# KiCad board TRS80_Model_I_Jap20_E1.kicad_pcb (continued)
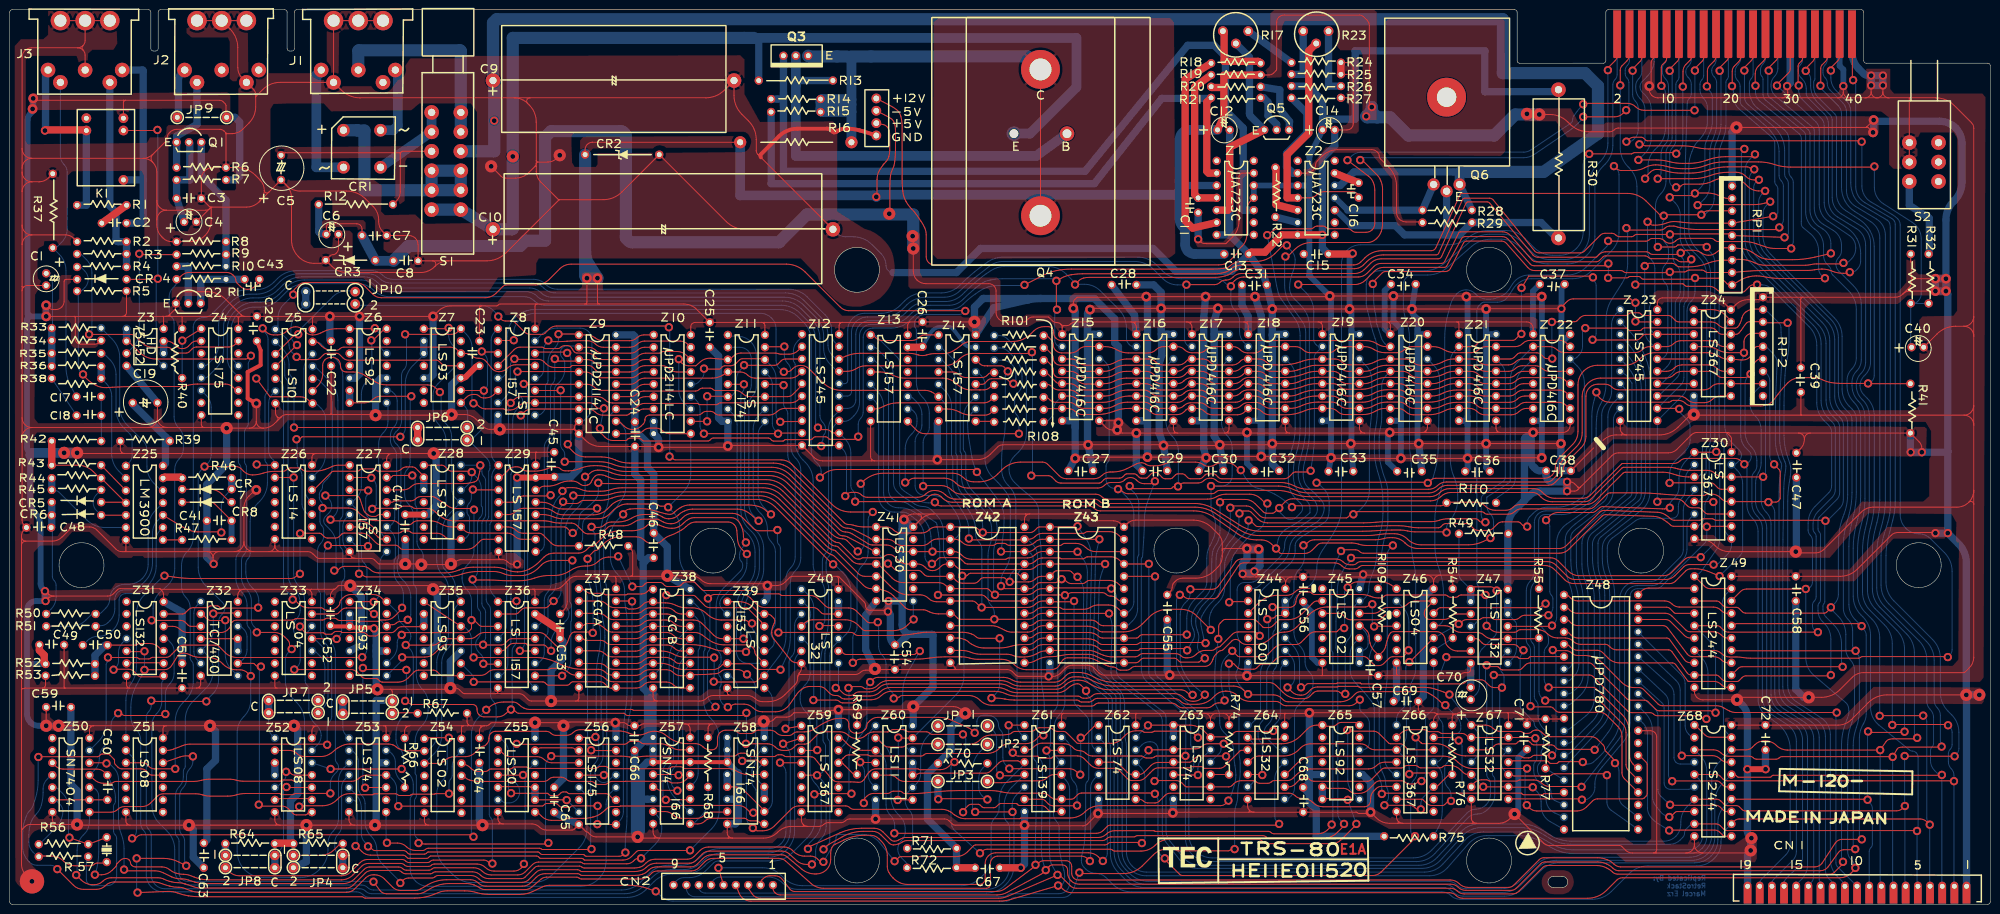
[diagram p0: board, top side]
## Routing (per net, layer and track width the routed paths; a pad name or vN(x,y) marks a point on that pad's centre or on a via; arc(x,y) is an arc through that point) (continued)
/D2: length 482.5
  Top w0.2: Z20.2 282.83,114.7 arc(281.97,114.82) 281.18,115.16 280.92,115.32 arc(279.86,115.79) 278.71,115.94 216.17,115.94 arc(215.54,116.07) 215.01,116.43 214.97,116.47 arc(214.64,116.96) 214.53,117.53 214.53,117.69 arc(214.44,118.12) 214.2,118.48 arc(213.83,118.73) 213.4,118.81 212.6,118.81 arc(211.42,118.58) 210.43,117.92 209.8,117.29 arc(208.11,116.16) 206.12,115.77 197.61,115.77 arc(196.54,115.58) 195.59,115.03 195.51,114.96 arc(194.69,114.33) 193.81,113.79 arc(192.88,113.41) 191.88,113.28 190.21,113.28 arc(189.32,113.21) 188.44,112.99 arc(187.58,112.85) 186.71,112.99 186.62,113.02 arc(185.66,113.25) 184.67,113.33 174.74,113.33 arc(173.26,113.18) 171.83,112.74 Z12.18 ; Z23.15 340.44,109.62 arc(341.3,109.79) 342.03,110.28 arc(342.77,110.77) 343.63,110.94 349.18,110.94 arc(350.04,110.77) 350.77,110.28 arc(351.5,109.79) 352.37,109.62 Z24.11 ; v2(378.13,130.02) 378.01,129.9 arc(377.89,129.82) 377.74,129.79 376.78,129.79 arc(375.68,129.89) 374.62,130.18 374.21,130.34 arc(373.36,130.57) 372.49,130.65 372.31,130.65 arc(371.6,130.62) 370.9,130.51 arc(370.2,130.41) 369.49,130.37 360.82,130.37 arc(358.52,130.32) 356.23,130.16 RP1.8 348.97,129.94 arc(348.64,130.01) 348.36,130.19 arc(348.08,130.38) 347.75,130.45 345.1,130.45 arc(344.85,130.4) 344.64,130.26 arc(344.43,130.12) 344.18,130.07 v2(341.15,130.07) 341.07,129.99 arc(340.98,129.93) 340.89,129.91 332.15,129.91 arc(331.87,129.97) 331.63,130.13 arc(331.39,130.29) 331.11,130.35 313.36,130.35 arc(312.59,130.51) 311.96,130.98 307.59,135.93 arc(307.1,136.29) 306.51,136.42 299.43,136.42 arc(299.03,136.3) 298.74,136 296.06,130.78 arc(295.62,130.32) 295.01,130.14 282.7,130.14 arc(282.35,130.07) 282.05,129.88 280.23,128.05 arc(280.14,127.92) 280.11,127.77 v2(280.11,127.6) ; v2(367.64,168.42) 367.57,168.48 arc(367.53,168.55) 367.51,168.64 367.51,172.41 arc(367.58,172.74) 367.76,173.02 368.22,173.48 arc(368.37,173.7) 368.43,173.97 J4.32
  Bottom w0.2: v2(378.13,130.02) 378.58,130.02 arc(379.01,130.1) 379.37,130.34 379.7,130.68 arc(380.19,131.41) 380.36,132.27 380.36,133.89 arc(380.17,135.45) 379.6,136.91 arc(378.68,138.19) 377.47,139.2 374.72,140.95 arc(373.36,142.4) 372.87,144.33 372.87,160.18 arc(372.71,160.99) 372.25,161.67 368.39,165.53 arc(367.83,166.37) 367.64,167.35 v2(367.64,168.42) ; Z23.15 339.09,109.62 arc(339.56,109.71) 339.96,109.98 340.55,110.57 arc(341.25,111.63) 341.5,112.87 341.5,128.8 arc(341.45,129.03) 341.32,129.23 arc(341.19,129.43) 341.15,129.66 v2(341.15,130.07) ; Z20.2 283.46,114.7 arc(283.23,114.75) 283.03,114.88 282.63,115.28 arc(282.15,115.89) 281.83,116.61 arc(281.59,117.37) 281.35,118.12 280.96,119.3 arc(280.84,119.79) 280.8,120.29 arc(280.77,120.79) 280.69,121.29 280.54,122 arc(280.35,123.22) 280.29,124.44 280.29,127.3 arc(280.26,127.42) 280.2,127.51 v2(280.11,127.6) ; Z12.18 170.11,112.16 arc(169.82,112.22) 169.57,112.38 168.97,112.99 arc(168.36,113.9) 168.15,114.98 168.15,117.02 arc(167.73,119.1) 166.55,120.87 163.26,124.16 arc(161.5,125.33) 159.42,125.75 112.18,125.75 arc(110.85,126.01) 109.73,126.77 arc(108.6,127.52) 107.27,127.78 78.31,127.78 arc(77.06,128.03) 76.01,128.73 arc(74.95,129.44) 73.71,129.69 59.4,129.69 arc(57.32,129.27) 55.55,128.09 54.55,127.09 arc(52.79,125.91) 50.7,125.5 49.37,125.5 arc(47.29,125.08) 45.52,123.9 44.52,122.9 arc(43.34,121.13) 42.92,119.05 42.92,115.1 arc(42.59,113.44) 41.65,112.03 40.74,111.12 arc(40.35,110.86) 39.88,110.76 39.37,110.76
/D3: length 565.8
  Top w0.2: J4.26 360.81,174.43 arc(360.7,173.9) 360.4,173.45 359.34,172.4 arc(358.87,171.68) 358.7,170.83 358.7,168.46 arc(358.7,168.42) 358.72,168.4 v2(358.75,168.37) ; v2(328.47,128.85) 332.31,128.85 arc(332.49,128.88) 332.65,128.99 arc(332.8,129.09) 332.99,129.13 334.73,129.13 arc(334.93,129.09) 335.1,128.97 335.38,128.7 arc(335.52,128.6) 335.69,128.57 345.51,128.57 arc(345.56,128.56) 345.6,128.53 arc(345.64,128.51) 345.68,128.53 345.85,128.7 arc(345.98,128.79) 346.15,128.82 v2(346.33,128.82) 346.35,128.8 arc(346.38,128.78) 346.41,128.77 351.15,128.77 arc(351.72,128.66) 352.19,128.34 352.88,127.65 arc(353.16,127.47) 353.49,127.4 353.54,127.4 arc(353.93,127.45) 354.3,127.6 355.57,128.34 arc(356.38,128.74) 357.25,129.03 357.4,129.06 arc(358.14,129.21) 358.9,129.25 arc(359.66,129.22) 360.41,129.11 361.06,128.99 arc(362.46,128.79) 363.88,128.72 372.94,128.72 arc(372.97,128.73) 373,128.75 v2(373.02,128.77) ; v2(328.52,131.79) 328.29,131.57 arc(328.04,131.4) 327.74,131.34 313.26,131.34 arc(312.82,131.43) 312.45,131.7 307.93,136.78 arc(307.37,137.19) 306.7,137.33 299.07,137.33 arc(298.65,137.21) 298.34,136.89 295.3,131.28 arc(295.1,131.08) 294.83,131.01 282.37,131.01 arc(281.31,130.8) 280.42,130.2 278.61,128.39 arc(277.6,127.71) 276.41,127.48 v2(264.79,127.48) ; v2(267.33,89.17) 267.21,89.05 arc(267.07,88.95) 266.9,88.92 264.26,88.92 arc(263.93,88.85) 263.65,88.66 262.95,87.97 arc(262.46,87.64) 261.88,87.52 249.11,87.52 arc(248.7,87.6) 248.35,87.84 247.84,88.35 arc(247.63,88.49) 247.38,88.54 246.23,88.54 arc(245.9,88.47) 245.62,88.28 245.11,87.78 arc(244.83,87.59) 244.49,87.52 242.67,87.52 arc(242.34,87.59) 242.06,87.78 241.55,88.28 arc(241.27,88.47) 240.94,88.54 240.03,88.54 arc(239.79,88.49) 239.59,88.36 238.94,87.7 arc(238.74,87.57) 238.5,87.52 237.47,87.52 arc(237.13,87.59) 236.85,87.78 235.97,88.66 arc(235.82,88.76) 235.65,88.79 235.09,88.79 arc(234.84,88.74) 234.63,88.6 233.77,87.74 arc(233.67,87.67) 233.55,87.65 232.55,87.65 arc(232.3,87.7) 232.09,87.84 231.65,88.28 arc(231.36,88.47) 231.03,88.54 229.54,88.54 arc(229.37,88.5) 229.23,88.41 228.79,87.97 arc(228.44,87.73) 228.02,87.65 225.62,87.65 arc(225.2,87.57) 224.85,87.33 224.34,86.82 arc(224.13,86.68) 223.88,86.63 216.02,86.63 arc(215.44,86.75) 214.95,87.08 214.18,87.84 arc(213.83,88.07) 213.42,88.16 v2(209.93,88.16) ; Z30.11 348.96,80.28 arc(348.66,80.34) 348.41,80.51 347.66,81.26 arc(347.34,81.48) 346.95,81.55 345.73,81.55 arc(345.2,81.66) 344.75,81.96 343.85,82.86 arc(343.3,83.23) 342.65,83.36 339.4,83.36 arc(339.35,83.35) 339.3,83.32 338.86,82.87 arc(338.78,82.82) 338.68,82.8 v2(338.58,82.8) ; v2(210.06,113.56) 209.93,113.43 arc(209.78,113.33) 209.61,113.3 199.4,113.3 arc(199.4,113.3) 199.39,113.3 arc(199.39,113.3) 199.38,113.3 197.86,113.3 arc(196.46,113.02) 195.26,112.23 195.07,112.03 arc(193.66,111.09) 192,110.76 175.93,110.76 arc(174.92,110.62) 173.99,110.19 arc(173.06,109.77) 172.04,109.62 Z12.17
  Bottom w0.2: v2(373.02,128.77) 372.96,128.77 arc(372.9,128.78) 372.85,128.82 372.31,129.36 arc(371.88,130) 371.73,130.77 371.73,134.31 arc(371.27,136.33) 370,137.96 368.56,139.14 arc(368.27,139.51) 368.17,139.97 368.17,140.48 arc(368.17,140.48) 368.18,140.49 arc(368.18,140.49) 368.18,140.5 368.18,157.44 arc(368.04,158.06) 367.65,158.56 359.7,165.12 arc(359,166.02) 358.75,167.14 v2(358.75,168.37) ; Z12.17 170.24,109.62 arc(170.07,109.66) 169.92,109.75 168.65,111.02 arc(167.62,112.56) 167.26,114.39 167.26,116.89 arc(166.84,118.97) 165.66,120.74 163.14,123.27 arc(161.37,124.45) 159.29,124.86 111.45,124.86 arc(110.21,125.11) 109.15,125.81 arc(108.1,126.52) 106.85,126.77 78.32,126.77 arc(76.83,127.06) 75.56,127.91 arc(74.3,128.75) 72.8,129.05 60.04,129.05 arc(57.95,128.64) 56.19,127.46 55.06,126.33 arc(53.29,125.15) 51.21,124.73 50,124.73 arc(47.92,124.32) 46.16,123.14 45.53,122.52 arc(44.35,120.75) 43.94,118.67 43.94,114.03 arc(43.53,111.95) 42.35,110.19 40.74,108.58 arc(40.35,108.32) 39.88,108.22 Z4.5 ; v2(264.79,127.48) 264.79,127.44 arc(264.8,127.4) 264.82,127.37 266.38,125.81 arc(267.56,124.05) 267.97,121.98 267.97,116.22 arc(268.08,115.64) 268.41,115.14 268.54,115.01 arc(268.89,114.78) 269.3,114.7 269.52,114.7 arc(269.61,114.64) 269.59,114.54 268.45,113.41 arc(268.19,113.01) 268.1,112.54 268.1,96.34 arc(268,94.01) 267.73,91.69 v2(267.33,89.17) ; v2(338.58,82.8) Z23.11 343.79,104.67 arc(344.45,105.65) 344.68,106.81 344.68,122.04 arc(344.89,123.12) 345.5,124.03 arc(346.11,124.95) 346.33,126.03 v2(346.33,128.82) ; v2(328.47,128.85) 328.5,128.87 arc(328.51,128.9) 328.52,128.93 v2(328.52,131.79) ; v2(209.93,88.16) 210.06,88.28 arc(210.15,88.42) 210.18,88.59 210.18,113.34 arc(210.17,113.42) 210.12,113.49 v2(210.06,113.56)
/D4: length 346.9
  Top w0.2: v2(341.12,145.41) 341.3,145.59 arc(341.49,145.72) 341.73,145.76 345.76,145.76 arc(345.84,145.78) 345.91,145.83 v2(346.3,146.22) 346.34,146.26 arc(346.38,146.29) 346.43,146.3 348.81,146.3 arc(350.11,146.16) 351.34,145.74 351.92,145.47 arc(352.57,145.25) 353.25,145.18 RP1.2 ; Z30.13 351.77,85.36 arc(351.34,85.45) 350.98,85.69 350.31,86.35 arc(349.95,86.6) 349.52,86.68 341.14,86.68 arc(341.12,86.68) 341.11,86.67 v2(341.09,86.66) ; J4.18 350.64,174.44 arc(350.53,173.88) 350.21,173.4 349.32,172.51 arc(348.99,172) 348.87,171.41 348.87,168.42 arc(348.85,168.35) 348.82,168.29 v2(348.77,168.24) ; Z23.12 342.9,102 arc(342.97,101.99) 343.02,101.95 v2(343.08,101.9) ; v2(345.56,132.66) 345.31,132.4 arc(345.03,132.22) 344.7,132.15 343.47,132.15 arc(343.06,132.23) 342.71,132.47 arc(342.36,132.7) 341.94,132.78 337.44,132.78 arc(337.06,132.86) 336.74,133.08 arc(336.41,133.29) 336.03,133.37 327.87,133.37 arc(327.65,133.33) 327.47,133.2 326.7,132.44 arc(326.38,132.22) 326.01,132.15 313.73,132.15 arc(313.21,132.26) 312.78,132.58 308.41,137.57 arc(307.65,138.12) 306.74,138.32 298.1,138.32 arc(297.9,138.26) 297.76,138.11 294.89,132.24 arc(294.62,131.93) 294.22,131.82 281.83,131.82 arc(281.01,131.66) 280.33,131.2 278.87,129.74 arc(278.08,129.21) 277.14,129.03 253.55,129.03 arc(252.56,128.83) 251.71,128.26 251.08,127.64 arc(250.99,127.49) 250.95,127.31 v2(250.95,127.12)
  Bottom w0.2: v2(348.77,168.24) 348.77,168.07 arc(348.8,167.9) 348.89,167.76 349.32,167.33 arc(349.74,166.71) 349.88,165.98 349.88,160.85 arc(349.81,160.05) 349.59,159.28 349.53,159.1 arc(349.3,158.52) 349.05,157.94 349.04,157.93 arc(348.8,157.37) 348.58,156.8 arc(348.41,156.22) 348.36,155.62 348.36,149.73 arc(348.09,148.39) 347.33,147.25 v2(346.3,146.22) ; Z18.2 253.62,115.59 arc(252.96,116.57) 252.73,117.74 252.73,119.92 arc(252.5,121.08) 251.84,122.07 arc(251.18,123.05) 250.95,124.21 v2(250.95,127.12) 250.71,127.12 arc(250.49,127.16) 250.3,127.29 249.69,127.9 arc(248.83,128.47) 247.82,128.67 240.76,128.67 arc(238.68,129.08) 236.91,130.26 235.65,131.52 arc(233.89,132.7) 231.81,133.12 204.13,133.12 arc(202.51,132.87) 201.04,132.16 arc(199.66,131.18) 198.33,130.14 198.25,130.07 arc(196.88,128.89) 195.57,127.65 195.26,127.34 arc(193.5,126.16) 191.43,125.75 187.8,125.75 arc(185.72,125.33) 183.95,124.16 182.95,123.15 arc(181.18,121.97) 179.1,121.56 175.68,121.56 arc(174.35,121.29) 173.23,120.54 arc(172.47,119.42) 172.21,118.09 172.21,107.73 arc(172.16,107.48) 172.02,107.27 arc(171.81,107.13) 171.56,107.08 Z12.16 ; Z23.12 343.43,106.85 arc(343.88,107.53) 344.04,108.33 344.04,122.96 arc(344.16,123.54) 344.49,124.03 arc(344.81,124.53) 344.93,125.11 344.93,131.14 arc(345.01,131.56) 345.25,131.91 345.41,132.07 arc(345.53,132.24) 345.56,132.44 v2(345.56,132.66) 345.44,132.78 arc(345.34,132.93) 345.31,133.09 345.31,133.29 arc(345.24,133.65) 345.04,133.95 344.3,134.69 arc(343.54,135.82) 343.28,137.14 343.28,141.72 arc(343,143.13) 342.2,144.33 v2(341.12,145.41) ; v2(341.09,86.66) 341.09,88.35 arc(341.41,89.91) 342.29,91.23 344.44,93.39 arc(345.09,94.35) 345.31,95.48 345.31,98.36 arc(345.18,99.02) 344.8,99.59 343.28,101.11 arc(343.13,101.34) 343.08,101.61 v2(343.08,101.9)
/D5: length 352.6
  Top w0.2: Z24.9 351.54,104.54 arc(350.64,104.36) 349.88,103.85 arc(349.12,103.35) 348.23,103.17 346.36,103.17 arc(345.46,103.35) 344.7,103.85 arc(343.94,104.36) 343.05,104.54 Z23.13 ; v2(241.81,127.45) 247.57,127.45 arc(248.18,127.57) 248.7,127.92 arc(249.22,128.27) 249.84,128.39 249.97,128.39 arc(250.71,128.54) 251.34,128.96 251.45,129.06 arc(252.19,129.56) 253.07,129.74 276.38,129.74 arc(277.46,129.95) 278.37,130.56 279.69,131.88 arc(280.66,132.53) 281.81,132.76 293.51,132.76 arc(293.95,132.89) 294.24,133.23 299.27,144.2 arc(299.43,144.4) 299.68,144.47 303.6,144.47 arc(303.9,144.4) 304.15,144.21 313.01,133.57 arc(313.47,133.21) 314.03,133.09 325.94,133.09 arc(326.05,133.11) 326.14,133.17 326.62,133.65 arc(327.24,134.06) 327.97,134.21 336.32,134.21 arc(336.67,134.14) 336.97,133.94 arc(337.26,133.74) 337.61,133.67 342.86,133.67 arc(343.06,133.71) 343.23,133.83 v2(343.38,133.98) 343.57,133.98 arc(343.75,134.01) 343.9,134.11 344.04,134.26 arc(344.35,134.46) 344.72,134.54 345.88,134.54 arc(346.77,134.4) 347.58,134.02 347.73,133.92 arc(348.39,133.6) 349.12,133.5 arc(349.85,133.61) 350.5,133.94 351.3,134.52 arc(351.5,134.67) 351.69,134.84 arc(351.88,134.97) 352.12,135.02 RP1.6 355.94,134.85 arc(356.96,134.65) 357.89,134.21 358.17,134.03 arc(358.79,133.64) 359.42,133.25 arc(360.07,132.93) 360.77,132.75 360.93,132.72 arc(361.82,132.62) 362.72,132.58 366.34,132.58 arc(368.66,132.71) 370.95,133.11 v2(374.24,133.88) ; J4.28 363.35,174.45 arc(363.25,173.97) 362.98,173.56 361.67,172.26 arc(361.52,172.03) 361.47,171.76 v2(361.47,171.47)
  Bottom w0.2: v2(343.38,133.98) 343.38,133.62 arc(343.45,133.29) 343.63,133.02 343.71,132.94 arc(343.96,132.57) 344.04,132.14 344.04,125.49 arc(343.93,124.91) 343.6,124.42 arc(343.27,123.92) 343.15,123.34 343.15,109.66 arc(343.01,108.92) 342.59,108.29 338.92,104.63 arc(338.82,104.56) 338.71,104.54 Z23.13 ; v2(361.47,171.47) 361.38,171.38 arc(361.32,171.29) 361.29,171.17 361.29,166.67 arc(361.37,166.32) 361.59,166.03 369.59,159.33 arc(369.85,158.98) 369.95,158.55 369.95,142.81 arc(370.44,140.88) 371.8,139.42 372.58,138.91 arc(373.8,137.6) 374.24,135.86 v2(374.24,133.88) ; Z12.15 172.1,104.54 arc(172.44,104.61) 172.72,104.79 arc(172.91,105.08) 172.97,105.41 172.97,117.54 arc(173.22,118.79) 173.92,119.84 arc(174.98,120.55) 176.22,120.8 179.61,120.8 arc(181.69,121.21) 183.46,122.39 184.33,123.27 arc(186.1,124.45) 188.18,124.86 192,124.86 arc(193.78,125.21) 195.29,126.23 arc(196.7,127.54) 198.18,128.77 198.74,129.2 arc(200.02,130.2) 201.29,131.21 arc(202.65,131.96) 204.19,132.23 231.17,132.23 arc(233.25,131.81) 235.02,130.63 237.01,128.64 arc(238.38,127.72) 240,127.4 241.72,127.4 arc(241.75,127.41) 241.78,127.43 v2(241.81,127.45) 241.62,127.26 arc(241.47,127.05) 241.43,126.8 241.43,116.22 arc(241.54,115.64) 241.87,115.14 242.09,114.92 arc(242.34,114.76) 242.63,114.7 Z17.2
/D6: length 414.7
  Top w0.2: Z59.3 165.81,31.64 arc(165.86,31.65) 165.9,31.68 v2(165.94,31.72) ; v2(218.92,127.48) 219.69,128.24 arc(220.14,128.59) 220.67,128.8 arc(221.24,128.91) 221.82,128.95 247.79,128.95 arc(248.78,129.02) 249.75,129.25 250.32,129.43 arc(250.68,129.59) 250.99,129.83 arc(251.3,130.08) 251.66,130.25 252.13,130.42 arc(253,130.65) 253.89,130.73 276.32,130.73 arc(277.33,130.93) 278.2,131.51 278.84,132.15 arc(280.41,133.2) 282.27,133.57 293.14,133.57 arc(293.44,133.66) 293.64,133.9 298.56,144.97 arc(298.72,145.16) 298.96,145.23 304.09,145.23 arc(304.52,145.13) 304.87,144.86 313.33,134.42 arc(313.74,134.09) 314.25,133.98 322.8,133.98 arc(323.18,134.06) 323.51,134.27 326.84,137.6 arc(327.3,137.91) 327.84,138.02 329.19,138.02 arc(329.65,137.92) 330.05,137.66 arc(330.44,137.4) 330.9,137.31 333.23,137.31 arc(333.55,137.37) 333.82,137.55 arc(334.08,137.73) 334.4,137.79 v2(341.17,137.79) 341.22,137.84 arc(341.28,137.88) 341.34,137.89 353.38,137.89 arc(353.6,137.85) 353.78,137.73 arc(353.96,137.6) 354.18,137.55 v2(364.72,137.18) ; Z24.7 Z23.14 ; v2(356.46,171.49) 356.46,171.8 arc(356.52,172.08) 356.68,172.32 357.88,173.53 arc(358.17,173.95) 358.26,174.45 J4.24
  Bottom w0.2: v2(341.17,137.79) 341.17,137.59 arc(341.21,137.4) 341.31,137.24 341.46,137.09 arc(341.68,136.77) 341.75,136.38 341.75,133.3 arc(341.95,132.31) 342.52,131.46 arc(343.08,130.62) 343.28,129.62 343.28,125.96 arc(343.15,125.3) 342.77,124.73 arc(342.4,124.17) 342.26,123.51 342.26,110.62 arc(342.13,109.93) 341.74,109.35 339.78,107.39 arc(339.44,107.16) 339.02,107.08 Z23.14 ; Z16.2 231.01,114.7 arc(230.54,114.79) 230.14,115.06 230,115.21 arc(229.62,115.77) 229.49,116.43 229.49,118.54 arc(229.07,120.62) 227.89,122.39 224.09,126.19 arc(222.61,127.18) 220.86,127.53 219.01,127.53 arc(218.97,127.52) 218.95,127.5 v2(218.92,127.48) 218.92,127.64 arc(218.89,127.79) 218.8,127.92 217.11,129.62 arc(215.35,130.8) 213.26,131.21 204.55,131.21 arc(203.01,130.98) 201.61,130.32 200.65,129.68 arc(200.28,129.43) 199.92,129.15 arc(199.57,128.87) 199.22,128.58 198.43,127.92 arc(197.31,126.93) 196.24,125.9 195.8,125.46 arc(194.15,124.36) 192.2,123.97 188.69,123.97 arc(186.61,123.56) 184.84,122.38 184.09,121.63 arc(182.33,120.45) 180.24,120.03 176.68,120.03 arc(175.6,119.82) 174.69,119.21 arc(174.08,118.29) 173.86,117.22 173.86,103.73 arc(173.73,103.07) 173.35,102.51 arc(172.79,102.13) 172.13,102 170.69,102 arc(170.51,101.93) 170.43,101.75 arc(170.39,101.51) 170.25,101.31 169.35,100.41 arc(168.55,99.22) 168.27,97.81 168.27,73.69 arc(168.11,72.86) 167.64,72.16 arc(167.17,71.45) 167,70.62 167,68.23 arc(167.17,67.4) 167.64,66.69 arc(168.11,65.99) 168.27,65.16 168.27,58.86 arc(168.09,56.56) 167.54,54.33 167.36,53.79 arc(166.81,51.55) 166.62,49.25 166.62,40.44 arc(166.52,39.94) 166.24,39.52 arc(165.96,39.09) 165.86,38.6 165.86,31.85 arc(165.87,31.8) 165.9,31.76 v2(165.94,31.72) ; v2(364.72,137.18) 364.86,137.18 arc(364.99,137.2) 365.09,137.28 365.25,137.43 arc(365.44,137.71) 365.5,138.05 365.5,148.32 arc(365.4,148.82) 365.12,149.24 arc(364.84,149.67) 364.74,150.16 364.74,155.09 arc(364.59,156.47) 364.14,157.77 arc(363.43,158.96) 362.48,159.96 357.23,164.48 arc(356.68,165.21) 356.49,166.1 356.49,171.45 arc(356.48,171.47) 356.47,171.48 v2(356.46,171.49)
/D7: length 526.7
  Top w0.2: v2(164.84,8.2) 163.71,8.2 arc(162.66,8.39) 161.74,8.95 160.17,10.37 arc(159.48,10.79) 158.68,10.94 143.79,10.94 arc(142.99,10.78) 142.31,10.33 140.95,8.97 arc(140.38,8.59) 139.7,8.45 132.94,8.45 arc(132.34,8.4) 131.77,8.23 arc(131.24,7.95) 130.77,7.58 130.76,7.56 arc(130.27,7.18) 129.71,6.93 129.67,6.92 arc(129.02,6.77) 128.36,6.72 117.62,6.72 arc(117.37,6.77) 117.16,6.92 arc(116.94,7.06) 116.7,7.11 109.48,7.11 arc(108.74,6.96) 108.12,6.55 106.64,5.06 arc(106.03,4.66) 105.32,4.51 98.12,4.51 arc(97.2,4.7) 96.43,5.21 arc(95.66,5.73) 94.74,5.91 88.01,5.91 arc(87.68,5.85) 87.4,5.66 arc(87.12,5.47) 86.79,5.4 82,5.4 arc(81.33,5.27) 80.77,4.9 v2(80.26,4.39) ; J4.20 353.19,174.3 arc(353.11,173.91) 352.89,173.59 351.61,172.3 arc(351.44,172.05) 351.38,171.76 v2(351.38,171.44) ; Z24.5 Z23.16 ; v2(165.91,26.54) 165.9,26.55 arc(165.88,26.56) 165.87,26.56 Z59.5 ; v2(215.21,122.32) 215.15,122.38 arc(215.1,122.45) 215.09,122.54 v2(215.09,128.24) 216.06,128.77 arc(217.07,129.22) 218.14,129.49 218.18,129.5 arc(219.33,129.64) 220.49,129.69 247.7,129.69 arc(248.65,129.76) 249.59,129.97 249.96,130.08 arc(250.48,130.31) 250.93,130.66 arc(251.38,131.01) 251.9,131.25 252.04,131.29 arc(252.74,131.46) 253.45,131.51 276.22,131.51 arc(276.97,131.66) 277.61,132.09 278.5,132.98 arc(280.11,134.06) 282.02,134.44 292.13,134.44 arc(292.68,134.6) 293.05,135.03 298.06,145.99 arc(298.21,146.16) 298.43,146.22 332.44,146.22 arc(334.52,145.81) 336.29,144.63 339.08,141.84 arc(339.31,141.68) 339.6,141.62 v2(339.9,141.62) 340,141.73 arc(340.11,141.8) 340.25,141.83 v2(347.62,141.83) 348.03,142.23 arc(348.48,142.53) 349.01,142.64 RP1.3
  Bottom w0.2: v2(347.62,141.83) 347.97,141.83 arc(348.28,141.89) 348.55,142.07 349.29,142.81 arc(350.01,143.89) 350.26,145.17 350.26,154.75 arc(350.36,155.7) 350.64,156.61 arc(351.01,157.51) 351.33,158.42 351.34,158.45 arc(351.58,159.42) 351.66,160.41 351.66,170.97 arc(351.62,171.15) 351.52,171.3 v2(351.38,171.44) ; v2(164.84,8.2) 165.22,8.58 arc(165.51,9) 165.61,9.5 165.61,10.81 arc(165.89,12.22) 166.69,13.42 arc(167.48,14.61) 167.76,16.02 167.76,23.35 arc(167.52,24.56) 166.84,25.58 165.92,26.5 arc(165.91,26.51) 165.91,26.52 v2(165.91,26.54) 166.13,26.54 arc(166.33,26.58) 166.5,26.69 166.99,27.18 arc(167.47,27.9) 167.64,28.75 167.64,32.55 arc(167.57,32.88) 167.38,33.17 arc(167.2,33.45) 167.13,33.78 167.13,38.61 arc(167.18,38.86) 167.32,39.07 arc(167.46,39.28) 167.51,39.53 167.51,51.61 arc(167.69,52.52) 168.21,53.3 arc(168.73,54.07) 168.91,54.98 168.91,66.01 arc(168.76,66.76) 168.34,67.39 arc(167.91,68.03) 167.76,68.77 167.76,70.2 arc(167.91,70.95) 168.34,71.58 arc(168.76,72.22) 168.91,72.96 168.91,96.86 arc(169.11,97.85) 169.67,98.7 170.37,99.4 arc(170.43,99.42) 170.5,99.4 arc(170.57,99.35) 170.65,99.33 171.45,99.33 arc(172.27,99.5) 172.97,99.96 173.48,100.48 arc(174.33,101.74) 174.62,103.24 174.62,116.89 arc(174.8,117.8) 175.32,118.57 arc(176.1,119.09) 177.01,119.27 180.75,119.27 arc(182.83,119.69) 184.6,120.87 185.35,121.62 arc(187.11,122.79) 189.2,123.21 193.03,123.21 arc(194.56,123.51) 195.86,124.38 196.08,124.6 arc(197.06,125.54) 198.08,126.42 198.52,126.79 arc(199.13,127.27) 199.76,127.72 arc(200.43,128.09) 201.16,128.32 201.61,128.42 arc(202.82,128.61) 204.05,128.67 214.35,128.67 arc(214.63,128.61) 214.87,128.45 v2(215.09,128.24) ; v2(215.21,122.32) 214.98,122.09 arc(214.81,121.84) 214.75,121.54 214.75,116 arc(214.85,115.5) 215.14,115.08 215.25,114.97 arc(215.55,114.77) 215.9,114.7 Z15.2 ; v2(339.9,141.62) 339.9,140.75 arc(339.86,140.55) 339.75,140.38 arc(339.64,140.21) 339.6,140.01 339.6,137.57 arc(339.76,136.74) 340.23,136.04 arc(340.7,135.33) 340.87,134.5 340.87,133.12 arc(340.7,132.29) 340.23,131.59 arc(339.76,130.89) 339.6,130.06 339.6,129.22 arc(339.74,128.48) 340.17,127.84 arc(340.59,127.21) 340.74,126.46 340.74,114.11 arc(340.59,113.36) 340.17,112.73 339.96,112.52 arc(339.56,112.25) 339.09,112.16 Z23.16 ; v2(80.26,4.39) 80.26,4.49 arc(80.24,4.58) 80.19,4.66 76.65,8.2 arc(75.75,9.55) 75.44,11.13 75.44,11.14 arc(75.12,12.72) 74.23,14.05 arc(73.34,15.39) 73.02,16.97 73.02,20.75 arc(72.84,21.66) 72.32,22.43 arc(71.81,23.21) 71.63,24.12 71.63,29.47 arc(71.46,30.3) 70.99,31.01 70.58,31.42 arc(70.33,31.58) 70.04,31.64 Z53.2
/Keyboard/KBD0: length 358.2
  Top w0.2: Z42.9 201.8,57.3 arc(202.54,57.21) 203.26,56.97 203.29,56.96 arc(203.94,56.64) 204.59,56.31 arc(205.25,56.06) 205.95,55.98 209.17,55.98 arc(210.04,56.15) 210.77,56.64 arc(211.5,57.12) 212.36,57.3 213.67,57.3 arc(213.73,57.28) 213.79,57.25 arc(213.85,57.21) 213.91,57.19 221.43,57.19 arc(222.11,57.13) 222.76,56.93 222.98,56.85 arc(223.38,56.64) 223.73,56.35 arc(224.09,56.11) 224.51,56.03 228.86,56.03 arc(230.94,56.44) 232.71,57.62 234.17,59.08 arc(235.93,60.26) 238.01,60.67 240.64,60.67 arc(241.54,60.59) 242.4,60.34 arc(243.19,59.92) 243.88,59.36 v2(246.81,56.43) ; v2(254.58,78.96) 254.75,78.96 arc(254.9,78.93) 255.03,78.85 255.99,77.88 arc(256.2,77.74) 256.45,77.69 278.11,77.69 arc(279.5,77.71) 280.88,77.78 arc(282.27,77.85) 283.66,77.87 285.48,77.87 arc(286.49,77.82) 287.5,77.65 arc(288.51,77.49) 289.52,77.44 293.61,77.44 arc(293.88,77.49) 294.1,77.64 294.54,78.07 arc(294.79,78.24) 295.09,78.3 299.31,78.3 arc(299.76,78.21) 300.14,77.96 300.84,77.26 arc(301.23,77) 301.69,76.9 303.76,76.9 arc(304.34,77.02) 304.84,77.35 305.71,78.23 arc(306.19,78.55) 306.75,78.66 309.97,78.66 arc(310.19,78.61) 310.37,78.49 310.94,77.93 arc(311.2,77.75) 311.5,77.69 v2(311.83,77.69) ; v2(365.35,119.6) 360.6,119.6 arc(360.48,119.63) 360.39,119.69 RP2.3 360.27,119.81 arc(360.24,119.82) 360.21,119.83 357.56,119.83 arc(357.23,119.76) 356.94,119.58 arc(356.7,119.31) 356.49,119.03 355.8,118.04 arc(355.59,117.76) 355.34,117.49 arc(355.06,117.31) 354.73,117.24 Z24.14 351.89,117.24 arc(351.49,117.32) 351.15,117.54 350.49,118.21 arc(350.1,118.47) 349.63,118.56 335.93,118.56 arc(335.73,118.52) 335.56,118.41 335.28,118.13 arc(335.14,118.04) 334.97,118 333.05,118 arc(332.83,118.04) 332.65,118.17 332.4,118.42 arc(332.3,118.49) 332.18,118.51 v2(323.77,118.51)
  Bottom w0.2: v2(323.77,118.51) 323.75,118.51 arc(323.72,118.51) 323.7,118.49 323.47,118.26 arc(323.28,117.97) 323.21,117.64 323.21,114.76 arc(323.01,113.77) 322.45,112.92 322.05,112.52 arc(321.65,112.25) 321.18,112.16 arc(320.99,112.03) 321.03,111.8 322.13,110.7 arc(323.21,109.08) 323.59,107.17 323.59,84.59 arc(323.45,84.04) 323.07,83.63 321.82,82.82 arc(319.95,81.97) 317.92,81.68 316.08,81.68 arc(314.46,81.36) 313.08,80.44 312.36,79.72 arc(311.97,79.13) 311.83,78.44 v2(311.83,77.69) ; CN1.11 377.12,3.93 arc(377.08,4.13) 376.96,4.31 375.63,5.64 arc(374.53,7.29) 374.14,9.24 374.14,34.9 arc(373.65,36.84) 372.3,38.31 367.22,41.62 arc(365.87,43.08) 365.38,45.02 365.38,82.92 arc(365.46,84.85) 365.69,86.76 365.9,87.98 arc(365.98,88.67) 366.01,89.36 arc(365.96,90.05) 365.79,90.72 365.31,92.16 arc(364.79,94.28) 364.62,96.46 364.62,102.58 arc(364.65,104.92) 364.74,107.26 364.82,108.76 arc(364.98,110.5) 365.27,112.22 arc(365.54,113.95) 365.63,115.69 365.63,119.13 arc(365.59,119.31) 365.49,119.46 v2(365.35,119.6) ; v2(246.81,56.43) 246.81,56.9 arc(246.77,57.1) 246.66,57.27 arc(246.54,57.44) 246.5,57.64 246.5,58.31 arc(246.59,59.18) 246.84,60.02 246.85,60.06 arc(247.28,60.86) 247.86,61.57 248.42,62.13 arc(248.97,62.81) 249.36,63.58 arc(249.6,64.42) 249.68,65.29 249.68,69.87 arc(249.76,70.61) 250,71.32 250.32,72.03 arc(251.07,73.34) 252.04,74.51 253.83,76.3 arc(254.33,77.05) 254.51,77.93 254.51,78.83 arc(254.52,78.88) 254.54,78.92 v2(254.58,78.96)
